# Altium PCB 6sPwr.PcbDoc (part 2 of 2)
Units mm, origin at the board's own origin, x right, y up, seen from the top; angles counter-clockwise.
Board outline 38.5 x 38.5 mm, 4 copper layers (Top Layer (L1), Ground (L2), Ground (L3), Bottom Layer (L4)), stack 1.558 mm thick; 111 components, 79 nets, 365 pads, 302 vias.
Unrouted connection lines stored in the file: 17.
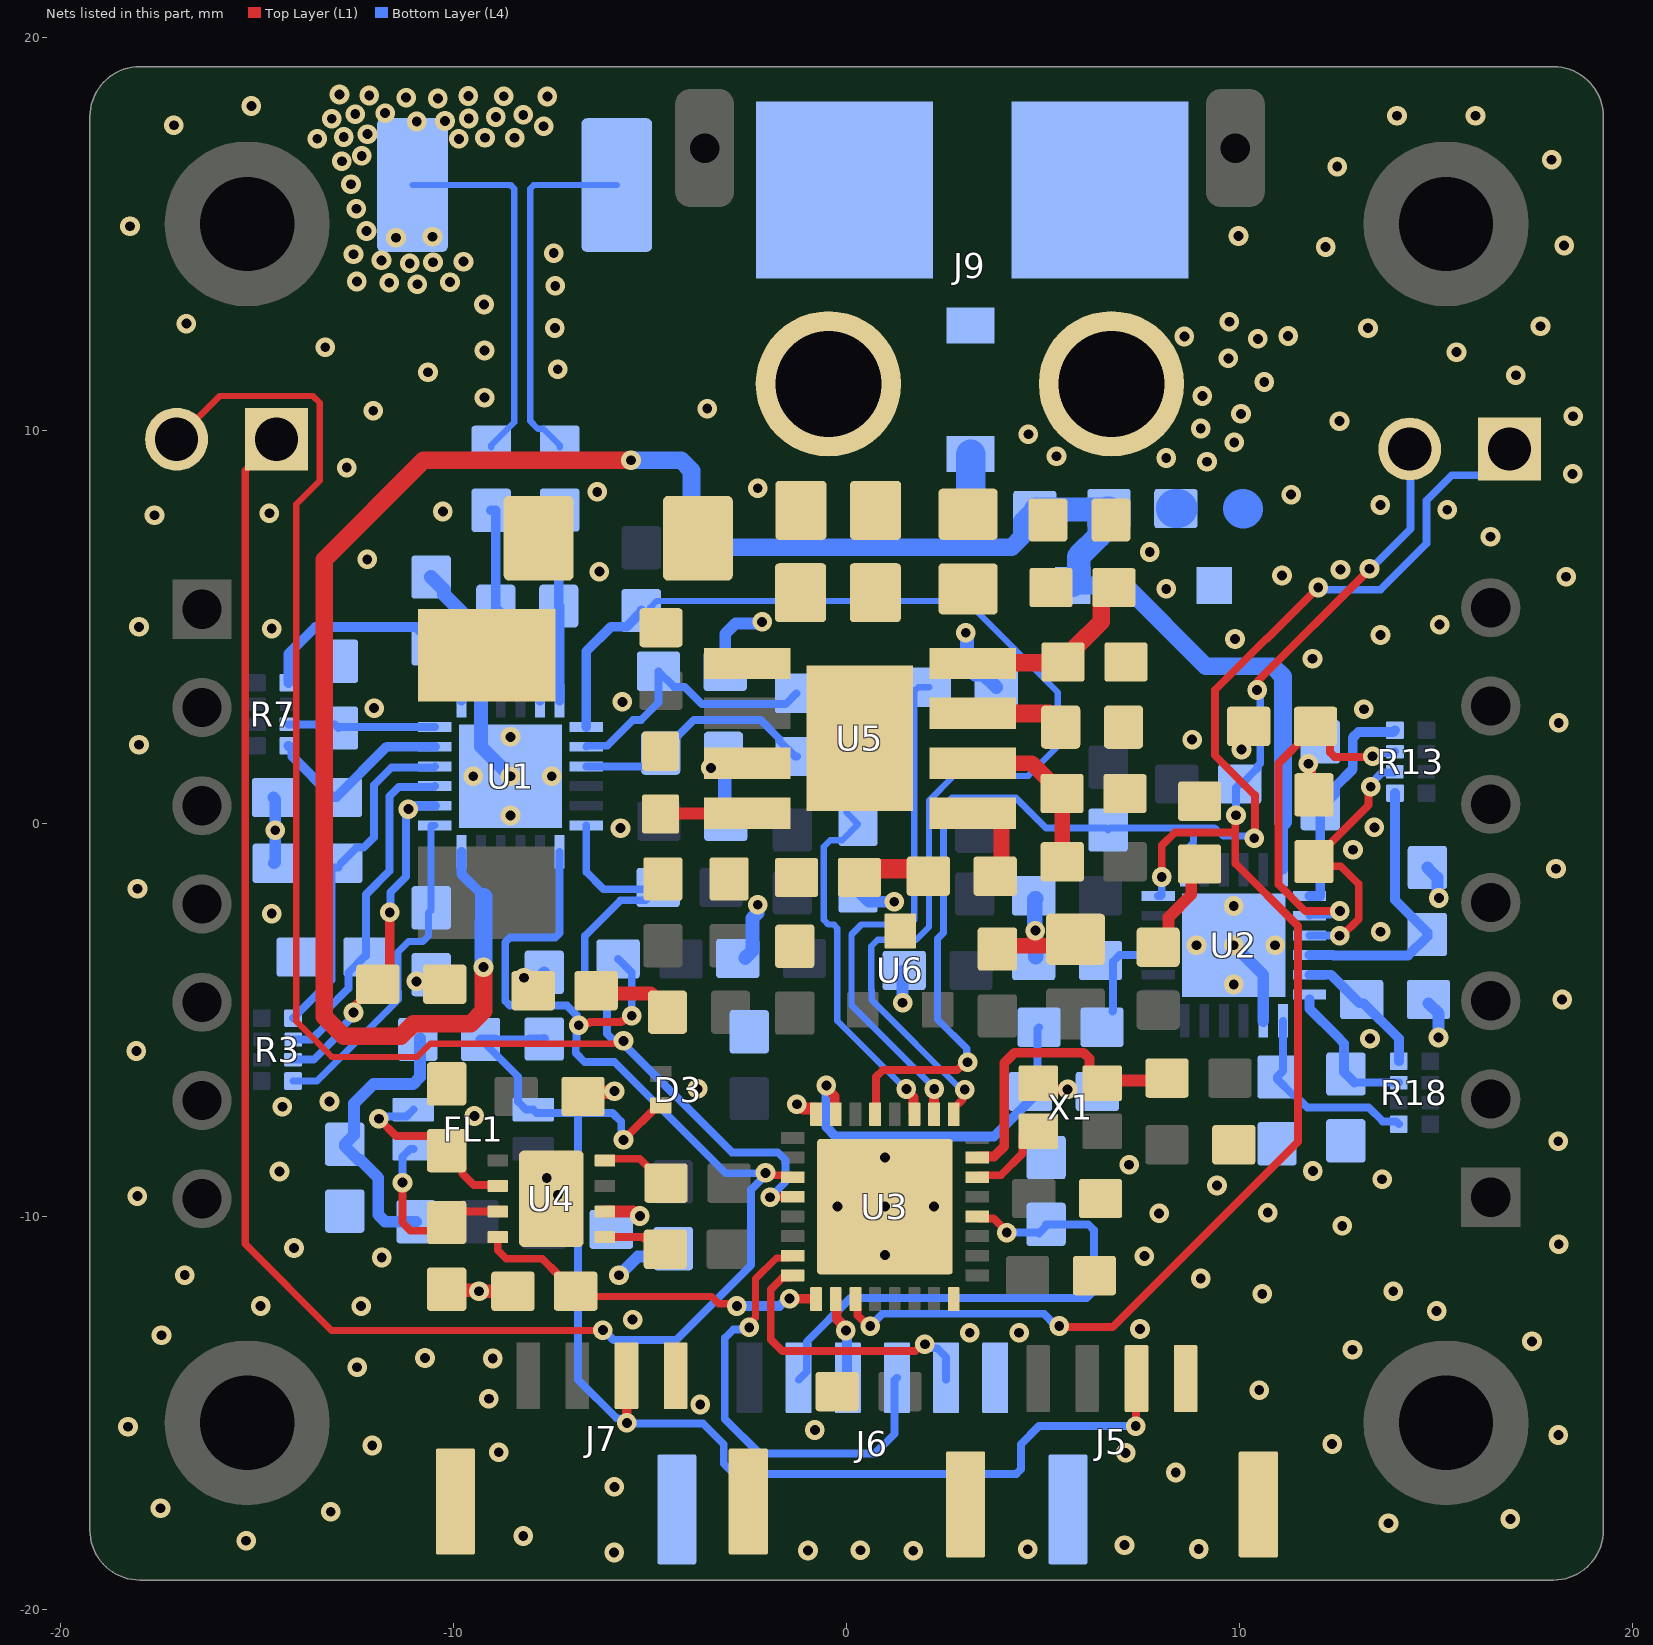
[diagram p4: the nets of this part, all layers, seen from the top]

## Via types
v1: diameter 0.5, hole 0.25, Top Layer (L1) to Bottom Layer (L4), tented both sides, 302 vias

## Nets (pads, with @x,y where several pads share a name; then routed paths per layer and width w, separated by ;. In a path a pad name is that pad's centre, name@x,y a point inside that pad or via, vN(x,y) a via of type N, cw(c..) or ccw(c..) an arc to the next point about the centre after c; other vN are vias at no path point) (continued)
CAN_H_FILT: C36.2 FL1.3 U4.7 | length 4.8
  Top Layer (L1) w0.2: v1(-11.299,-9.139) -11.302,-9.142 -11.302,-10.154 -11.094,-10.362 -10.387,-10.362 C36.2@-10.175,-10.15 -9.9,-9.875 U4.7@-8.874,-9.875
  Bottom Layer (L4) w0.2: v1(-11.299,-9.139) -11.299,-8.481 -11.302,-8.481 -11.102,-8.281 FL1.3@-11.022,-8.281
CAN_L: C33.2 D3.1 FL1.1 J5.3 J7.3 R22.2 | length 33.6
  Top Layer (L1) w0.2: v1(-5.676,-8.051) -4.8,-7.175 D3.1@-4.725,-7.175 ; v1(7.355,-15.332) 7.365,-15.322 7.365,-14.134 J5.3@7.375,-14.124
  Top Layer (L1) w0.25: J7.3@-5.6,-14.05 -5.595,-14.055 -5.595,-15.245 v1(-5.59,-15.25)
  Bottom Layer (L4) w0.2: R22.2@-9.204,-5.596 -8.356,-6.444 -8.356,-7.081 -8.156,-7.281 FL1.1@-7.972,-7.281 -7.885,-7.368 -6.831,-7.368 ; R22.2@-8.936,-5.493 C33.2@-8.067,-5.493 ; v1(-5.676,-8.051) -5.733,-7.994 -5.733,-7.588 -5.953,-7.368 -6.831,-7.368 ; v1(-5.59,-15.25) -5.671,-15.25 -5.789,-15.133 -5.851,-15.133 -6.831,-14.152 -6.831,-10.915 -6.837,-10.909 -6.837,-9.749 -6.831,-9.743 -6.831,-7.368 ; v1@-5.578,-15.262 -3.656,-15.262 -3.124,-15.794 -3.124,-16.287 -2.864,-16.547 4.318,-16.547 4.435,-16.43 4.435,-15.794 4.897,-15.332 v1(7.355,-15.332)
  Bottom Layer (L4) w0.25: R22.2@-9.311,-5.495 R22.2@-8.936,-5.493 ; C33.2@-8.067,-5.493 C33.2@-7.692,-5.486
CAN_L_FILT: C35.2 FL1.4 U4.6 | length 4.8
  Top Layer (L1) w0.2: v1(-11.899,-7.514) -11.463,-7.95 -10.55,-7.95 -9.775,-8.725 -9.775,-8.907 -9.482,-9.2 -8.899,-9.2 U4.6@-8.874,-9.225
  Bottom Layer (L4) w0.2: v1(-11.899,-7.514) -11.842,-7.457 -11.197,-7.457 FL1.4@-11.022,-7.281
COMP: C46.2 U5.5 | length 2.3
  Top Layer (L1) w0.4: U5.5@3.208,0.257 3.742,0.257 3.942,0.057 3.942,-1.179 C46.2@3.779,-1.342
EN: R26.1 R28.2 U5.8 | length 4.8
  Top Layer (L1) w0.45: U5.8@3.208,4.067 3.228,4.087 5.485,4.087 R28.2@5.505,4.107 5.555,4.107 5.83,4.382 5.83,4.488 6.475,5.133 6.475,5.725 6.75,6 R26.1@6.8,6
FB: R27.1 R30.2 U5.6 | length 3.7
  Top Layer (L1) w0.4: U5.6@3.845,1.527 4.712,1.527 5.13,1.109 5.13,1.059 5.43,0.759 R30.2@5.48,0.759 5.483,0.756 5.483,-0.974 R27.1@5.487,-0.977
FSW: R29.2 U5.4 | length 2.2
  Top Layer (L1) w0.3: R29.2@-4.733,0.239 -4.724,0.248 -2.541,0.248 U5.4@-2.532,0.257
GND: C1.1 C2.1 C3.1 C4.1 C5.1 C7.1 C8.1 C9.1 C10.1 C11.1 C12.1 C13.1 C14.1 C15.1 C16.1 C17.1 C18.1 C19.1 C20.1 C21.1 C22.1 C23.1 C24.1 C25.1 C26.1 C27.1 C28.1 C29.1 C30.1 C31.1 C32.1 C33.1 C34.1 C35.1 C36.1 C37.1 C38.1 C39.1 C40.1 C41.1 C42.1 C43.1 C44.1 C47.1 C48.1 C49.1 C50.1 D2.1 D3.3 D4.1 J5.4 J5.5 J5.6 J6.6 J6.7 J6.8 J7.4 J7.5 J7.6 J9.2 R9.1 R12.1 R19.1 R24.1 R28.1 R29.1 R30.1 R31.1 R32.1 R33.1 U1.8 U1.25 U2.8 U2.25 U3.16 U3.32 U3.33 U4.2 U4.9 U5.3 U6.3 X1.2 | length 40
  Top Layer (L1) w0.25: X1.2@4.877,-6.609 5.033,-6.766 v1(5.622,-6.766)
  Top Layer (L1) w0.3: U4.2@-6.15,-9.875 -5.426,-9.875 -5.312,-9.988 v1(-5.258,-9.988) ; v1(-1.265,-7.145) -1.211,-7.145 -1.106,-7.25 -0.775,-7.25 U3.16@-0.775,-7.4 ; v1(11.748,1.517) 11.786,1.479 11.786,0.83 C23.1@11.889,0.727
  Top Layer (L1) w0.35: C36.1@-10.175,-11.85 -10.149,-11.876 -9.377,-11.876 v1(-9.351,-11.902) R24.1@-8.49,-11.902 ; C32.1@-6.706,-6.948 -6.597,-6.84 -5.935,-6.84 v1(-5.906,-6.811)
  Top Layer (L1) w0.4: C50.1@3.835,-3.197 3.92,-3.111 4.79,-3.111 ; v1(4.803,-2.728) 4.803,-2.762 4.79,-2.774 4.79,-3.111 ; C49.1@5.824,-2.948 5.66,-3.111 4.79,-3.111
  Bottom Layer (L4) w0.16: R12.1@-11.043,16.24 -8.551,16.24 -8.457,16.147 -8.457,10.202 -9.043,9.616 R9.1@-9.043,9.566
  Bottom Layer (L4) w0.3: C10.1@-14.577,0.656 -14.533,0.613 -14.533,-0.984 C11.1@-14.564,-1.015 ; v1(-8.206,-3.929) -7.835,-3.929 C33.1@-7.692,-3.786 ; v1(-5.788,-11.493) -5.315,-11.02 C31.1@-4.408,-11.02 ; C4.1@-3.132,1.711 C4.1@-2.96,1.538 ; C7.1@-3.088,3.872 -3.088,4.822 -2.821,5.088 -2.187,5.088 v1(-2.149,5.127) ; C5.1@0.291,-1.723 0.561,-1.993 v1(1.211,-1.993) ; C17.1@1.417,-3.754 1.424,-3.761 v1(1.424,-4.565) ; v1(9.85,-3.1) 10.6,-3.85 U2.8@10.6,-5.025 ; C22.1@14.775,-1.125 15.028,-1.378 15.028,-1.858 v1(15.066,-1.896) ; C21.1@14.8,-4.575 15.058,-4.833 v1(15.058,-5.446)
  Bottom Layer (L4) w0.35: C15.1@-10.57,6.266 -10.245,5.941 -10.245,5.821 -9.8,5.376 -9.8,5.332 ; U1.8@-9.3,3.125 -9.3,1.95 v1(-8.55,1.2) ; v1(-3.452,1.413) -3.107,1.413 -3.103,1.409 -3.103,0.083 C3.1@-3.074,0.054 ; C2.1@-2.58,-3.425 -2.394,-3.239 -2.394,-2.411 -2.268,-2.286 -2.268,-2.08 v1(-2.259,-2.071) ; v1(3.031,4.848) 3.06,4.82 3.06,3.995 3.265,3.79 3.48,3.79 C8.1@3.805,3.465
  Bottom Layer (L4) w0.4: C16.1@4.802,-1.919 4.783,-1.938 4.783,-2.709 v1(4.803,-2.728) ; C18.1@4.809,-3.394 v1@4.809,-2.684
  Bottom Layer (L4) w1: C1.1@8.376,8.01 C1.1@8.426,8.01 ; 10.075,8.01 10.088,7.997
  other v1: -5.915,-18.547 -0.982,-18.496 1.696,-18.502 0.351,-18.489 4.608,-18.467 8.958,-18.458 7.069,-18.361 -15.275,-18.251 -8.227,-18.128 13.786,-17.803 16.885,-17.696 -13.123,-17.513 -17.453,-17.423 -5.907,-16.878 8.372,-16.514 7.097,-16.014 -8.848,-15.997 -12.066,-15.828 12.35,-15.786 18.106,-15.559 -0.806,-15.431 -18.281,-15.347 -3.725,-14.783 -9.101,-14.636 10.498,-14.416 -12.452,-13.836 -10.725,-13.6 -9.003,-13.611 12.87,-13.391 17.435,-13.177 -17.429,-13.02 3.134,-12.957 4.388,-12.957 7.463,-12.864 -5.445,-12.624 15.01,-12.405 -14.908,-12.275 -12.35,-12.28 10.574,-11.968 13.907,-11.903 9.008,-11.576 -16.837,-11.492 -11.827,-11.045 7.574,-11.007 0.975,-10.984 -14.058,-10.803 18.118,-10.705 12.608,-10.238 7.95,-9.921 10.716,-9.902 -0.229,-9.75 0.975,-9.75 2.225,-9.75 -18.041,-9.483 -7.348,-9.45 9.424,-9.213 13.624,-9.055 -7.63,-9.019 -14.425,-8.855 11.861,-8.844 7.188,-8.686 0.975,-8.5 18.104,-8.088 -9.47,-7.442 -14.354,-7.207 -13.156,-7.076 -3.793,-6.753 -18.068,-5.792 13.315,-5.476 18.203,-4.479 9.85,-4.1 -10.943,-4.019 8.9,-3.1 10.9,-3.1 13.585,-2.756 -14.623,-2.295 9.85,-2.1 -18.04,-1.663 18.047,-1.155 12.884,-0.67 -14.533,-0.173 -5.751,-0.121 13.425,-0.102 -8.55,0.2 -9.5,1.2 -7.5,1.2 10.045,1.879 -18,2 8.79,2.131 -8.55,2.2 18.115,2.557 13.16,2.902 -12.02,2.932 -5.703,3.091 11.852,4.186 9.879,4.69 13.583,4.793 -14.625,4.955 -18,5 15.086,5.057 8.134,5.965 18.303,6.276 11.077,6.308 -6.288,6.404 12.563,6.456 -12.195,6.717 7.71,6.905 16.382,7.294 -17.607,7.84 -14.685,7.888 -10.272,7.933 15.281,7.977 13.579,8.099 11.308,8.365 -6.342,8.433 -2.259,8.524 18.47,8.891 -12.717,9.05 9.168,9.201 8.131,9.294 5.34,9.342 9.861,9.692 4.624,9.897 9.007,10.047 12.537,10.233 18.481,10.359 10.034,10.418 -12.041,10.496 -3.545,10.552 -9.212,10.831 9.051,10.874 10.627,11.228 17.026,11.398 -10.648,11.477 -7.348,11.555 9.711,11.829 15.513,11.989 -9.212,12.031 -13.262,12.113 10.463,12.326 8.593,12.386 11.231,12.398 13.263,12.598 -7.421,12.602 17.654,12.645 -16.796,12.713 9.737,12.762 -9.223,13.2 -7.411,13.674 -10.919,13.717 -11.637,13.754 -12.459,13.784 -10.09,13.769 -11.114,14.247 -10.523,14.277 -9.747,14.291 -11.831,14.322 -12.545,14.479 -7.451,14.508 12.185,14.661 18.254,14.699 -11.464,14.899 -10.535,14.926 9.968,14.943 -12.214,15.068 -18.232,15.19 -12.471,15.634 -12.608,16.257 12.482,16.708 -12.839,16.846 17.936,16.885 -12.333,16.981 -13.465,17.418 -9.864,17.413 -9.198,17.444 -8.445,17.444 -12.793,17.462 -12.19,17.535 -7.708,17.734 -17.114,17.758 -10.937,17.855 -10.217,17.868 -13.098,17.927 -9.613,17.93 -8.923,17.97 14,18 16,18 -8.225,18.024 -12.5,18.043 -11.741,18.07 -15.141,18.252 -10.398,18.44 -11.205,18.463 -12.143,18.516 -9.621,18.503 -8.722,18.498 -7.613,18.493 -12.902,18.543
HSE_8MHZ: U3.6 X1.3 | length 2
  Top Layer (L1) w0.2: U3.6@3.325,-9 3.375,-8.95 3.924,-8.95 4.476,-8.398 4.476,-7.924 X1.3@4.575,-7.825
LX: C45.2 D4.2 L1.1 U5.1
NetC37_2: C37.2 R22.1 R23.1 | length 7.3
  Bottom Layer (L4) w0.3: R23.1@-10.953,-10.133 -11.74,-10.133 -11.916,-9.957 -11.916,-9.014 -12.366,-8.564 -12.416,-8.564 -12.766,-8.214 C37.2@-12.766,-8.164 -12.534,-7.932 -12.534,-7.127 -12.038,-6.631 -11.029,-6.631 -10.853,-6.455 R22.1@-10.853,-5.466
NetC46_1: C46.1 R31.2 | length 1.9
  Top Layer (L1) w0.5: R31.2@0.325,-1.375 0.544,-1.156 1.894,-1.156 C46.1@2.079,-1.342
NetD1_2: D1.2 R1.1 | length 1.4
  Bottom Layer (L4) w0.75: R1.1@3.154,7.994 D1.2@3.154,9.395
NetD5_2: D5.2 R32.2 | length 2.6
  Top Layer (L1) w0.3: D5.2@7.925,-3.15 8.189,-2.886 8.189,-2.386 8.766,-1.809 8.766,-1.246 R32.2@8.978,-1.034
NetD6_2: D6.2 R33.2 | length 2.1
  Top Layer (L1) w0.35: R33.2@-6.371,-4.256 -6.299,-4.329 -4.98,-4.329 -4.556,-4.753 D6.2@-4.556,-4.803
NRST: C30.2 J6.2 U3.4 | length 13.8
  Top Layer (L1) w0.2: U3.4@3.325,-10 3.375,-10.05 3.74,-10.05 4.075,-10.385 v1(4.075,-10.41)
  Bottom Layer (L4) w0.2: J6.2@-1.217,-14.153 -1.014,-13.95 -1.014,-13.186 0.097,-12.075 6.11,-12.075 6.294,-11.891 6.294,-10.346 6.147,-10.2 C30.2@5.075,-10.2 5.075,-10.25 C30.2@4.89,-10.435 ; v1(4.075,-10.41) C30.2@4.865,-10.41
OSC_EN: R25.1 U3.7 X1.1 | length 7.8
  Top Layer (L1) w0.25: U3.7@3.325,-8.5 3.35,-8.475 3.751,-8.475 4.01,-8.216 4.01,-6.093 4.268,-5.834 6.03,-5.834 6.176,-5.981 6.176,-6.456 X1.1@6.26,-6.54
  Top Layer (L1) w0.3: X1.1@6.26,-6.54 8.09,-6.54 R25.1@8.15,-6.48
OVERCURRENT: R11.1 U1.13 U3.9 | length 30.7
  Top Layer (L1) w0.2: U3.9@2.725,-7.4 2.725,-7.25 2.946,-7.029 2.946,-6.831 v1(3.004,-6.773)
  Bottom Layer (L4) w0.16: R11.1@-5,5.484 -4.825,5.659 3.046,5.659 5.373,3.332 5.373,1.959 4.621,1.207 2.724,1.207 2.099,0.582 2.099,-2.629 1.767,-2.96 0.795,-2.96 0.63,-3.125 0.63,-4.236 0.64,-4.246 0.64,-4.493 2.92,-6.773 v1(3.004,-6.773)
  Bottom Layer (L4) w0.25: U1.13@-6.625,2.45 -6.625,4.375 -6,5 -5.6,5 -5.225,5.375 R11.1@-5.225,5.413
PACK+: C41.2 C42.2 C43.2 C44.2 D1.1 J8.1 J9.1 R26.2 U5.0
PACK-: J8.2 R10.1 R12.2 | length 9.2
  Bottom Layer (L4) w0.16: R10.1@-7.297,9.57 -7.297,9.62 -7.717,10.04 -7.853,10.04 -8.05,10.236 -8.05,16.145 -7.956,16.239 R12.2@-5.844,16.239
SCL_1: J3.1 R4.1 U1.19 U3.19 | length 55.6
  Top Layer (L1) w0.18: J3.1@-14.505,9.773 -15.299,8.979 -15.299,-10.701 -13.101,-12.899 v1@-6.208,-12.899
  Top Layer (L1) w0.2: -6.546,-5.077 -6.526,-5.056 -5.741,-5.056 -5.711,-5.027 -5.678,-5.027 -5.547,-4.895 v1(-5.465,-4.895) ; v1(-2.064,-8.891) -1.983,-8.891 -1.924,-8.95 -1.425,-8.95 U3.19@-1.375,-9
  Bottom Layer (L4) w0.2: U1.19@-7.3,-0.725 -7.3,-2.79 -7.417,-2.907 -8.568,-2.907 -8.685,-3.024 -8.685,-4.514 -8.568,-4.631 -8.278,-4.631 -8.273,-4.636 -7.112,-4.636 -6.871,-4.878 -6.871,-5.078 v1(-6.813,-5.135) -6.871,-5.193 -6.871,-5.654 -6.892,-5.675 -6.892,-5.841 -6.66,-6.073 -5.902,-6.073 -3.074,-8.901 -2.074,-8.901 v1(-2.064,-8.891) ; v1(-6.2,-12.89) -6.183,-12.89 -5.932,-13.141 -4.333,-13.141 -2.428,-11.236 -2.428,-9.314 -2.064,-8.95 v1@-2.064,-8.9 ; R4.1@-5.812,-3.448 -5.465,-3.795 v1(-5.465,-4.895)
SCL_2: J4.1 R15.1 U2.19 U3.13 | length 34.9
  Top Layer (L1) w0.2: U3.13@0.725,-7.4 0.75,-7.375 0.75,-6.446 0.92,-6.277 2.81,-6.277 3.011,-6.076 v1(3.078,-6.076) ; v1(10.371,-0.377) 10.386,-0.362 10.386,0.718 9.368,1.736 9.368,3.389 10.674,4.696 10.696,4.696 v1(12,6)
  Bottom Layer (L4) w0.18: v1(3.078,-6.076) 3.056,-6.054 3.056,-5.729 2.315,-4.988 2.315,-2.935 2.469,-2.782 2.469,0.429 2.682,0.643 4.313,0.643 5.069,-0.113 6.597,-0.113 R15.1@6.653,-0.169 6.709,-0.113 8.826,-0.113 ; U2.19@8.6,-1.175 8.635,-1.14 8.635,-0.84 8.685,-0.79 8.685,-0.63 8.826,-0.489 8.826,-0.113 ; v1(10.371,-0.377) 10.315,-0.321 9.572,-0.321 9.364,-0.113 8.826,-0.113
  Bottom Layer (L4) w0.2: v1(12,6) 12.055,5.945 13.577,5.945 14.749,7.116 14.749,8.21 15.394,8.856 16.196,8.856 J4.1@16.865,9.525
SDA_1: J3.2 R5.1 U1.18 U3.20 | length 44.7
  Top Layer (L1) w0.16: J3.2@-17.045,9.773 -15.945,10.873 -13.581,10.873 -13.405,10.697 -13.405,8.714 -14,8.119 -14,-5.035 -13.095,-5.941 -10.921,-5.941 -10.587,-5.607 -5.94,-5.607 -5.931,-5.598 -5.741,-5.598 v1(-5.676,-5.533)
  Top Layer (L1) w0.2: v1(-1.946,-9.509) -1.941,-9.505 -1.38,-9.505 U3.20@-1.375,-9.5
  Bottom Layer (L4) w0.2: U1.18@-6.625,-0.05 -6.625,-1.233 -6.182,-1.676 R5.1@-4.958,-1.676 ; R5.1@-4.793,-1.629 -5.118,-1.954 -5.748,-1.954 -6.662,-2.868 -6.662,-4.029 -6.093,-4.598 -6.093,-5.353 -5.95,-5.496 -5.713,-5.496 v1(-5.676,-5.533) -5.676,-5.61 -2.917,-8.369 -1.754,-8.369 -1.551,-8.573 -1.551,-9.114 v1(-1.946,-9.509)
SDA_2: J4.2 R16.1 U2.18 U3.27 | length 37.6
  Top Layer (L1) w0.2: U3.27@0.225,-12.1 0.275,-12.15 0.275,-12.515 0.549,-12.789 v1(0.601,-12.789) ; v1(5.41,-12.784) 5.439,-12.813 6.767,-12.813 11.482,-8.097 11.482,-2.611 9.888,-1.016 9.888,-0.234 ; v1(8.018,-1.366) 8.018,-0.564 8.348,-0.234 9.882,-0.234 9.888,-0.228 9.888,0.19 v1(9.907,0.209) ; v1(10.442,3.394) 10.455,3.406 10.455,3.614 v1@13.3,6.46
  Bottom Layer (L4) w0.2: v1(0.601,-12.789) 0.916,-12.475 5.019,-12.475 5.329,-12.784 v1(5.41,-12.784) ; U2.18@7.925,-1.85 7.993,-1.85 8.018,-1.825 v1(8.018,-1.366) ; v1(9.907,0.209) 9.907,0.907 R16.1@10,1 10.05,1 10.45,1.4 10.45,1.45 10.524,1.524 10.524,3.231 10.442,3.313 v1(10.442,3.394) ; v1(13.3,6.479) 13.333,6.479 14.349,7.494 14.349,9.501 J4.2@14.325,9.525
SENSE_N: C6.1 R9.2 U1.11 | length 5.6
  Bottom Layer (L4) w0.25: R9.2@-9.043,7.966 -8.925,7.966 C6.1@-8.925,5.478 ; C6.1@-8.925,5.528 C6.1@-8.925,5.478 ; U1.11@-7.8,3.125 -7.8,4.552 -8.15,4.902 -8.15,4.921 -8.332,5.103 -8.55,5.103 C6.1@-8.925,5.478
SENSE_P: C6.2 R10.2 U1.12 | length 4.9
  Bottom Layer (L4) w0.25: U1.12@-7.3,3.125 -7.3,5.528 C6.2@-7.325,5.528 -7.325,7.97 R10.2@-7.297,7.97
SS: C47.2 U5.7 | length 2.4
  Top Layer (L1) w0.45: U5.7@3.208,2.797 5.146,2.797 5.444,2.499 C47.2@5.444,2.449
SWCLK: J6.5 U3.24 | length 7.3
  Top Layer (L1) w0.2: U3.24@-1.375,-11.5 -1.425,-11.55 -1.624,-11.55 -1.929,-11.855 -1.929,-13.13 -1.633,-13.426 1.746,-13.426 1.923,-13.25 v1(1.99,-13.25)
  Bottom Layer (L4) w0.2: v1(1.99,-13.25) 2.072,-13.25 2.173,-13.351 2.302,-13.351 2.533,-13.581 J6.5@2.533,-14.153
SWDIO: J6.4 U3.23 | length 11.6
  Top Layer (L1) w0.18: v1(-2.476,-12.821) -2.476,-12.734 -2.319,-12.578 -2.319,-11.584 -1.786,-11.052 -1.427,-11.052 U3.23@-1.375,-11
  Bottom Layer (L4) w0.2: v1(-2.476,-12.821) -2.533,-12.878 -2.883,-12.878 -3.1,-13.095 -3.1,-15.15 -2.218,-16.031 0.716,-16.031 1.222,-15.525 1.222,-14.16 J6.4@1.28,-14.102
SWO: J6.3 U3.26 | length 2.2
  Top Layer (L1) w0.25: U3.26@-0.275,-12.1 -0.25,-12.125 -0.25,-12.602 -0.018,-12.834 v1(-0.018,-12.902)
  Bottom Layer (L4) w0.25: v1(-0.018,-12.902) 0.007,-12.927 0.007,-14.128 J6.3@0.033,-14.153
TJA1051_RX: R21.1 U4.4 | length 1.7
  Top Layer (L1) w0.2: U4.4@-6.15,-8.575 -6.105,-8.53 -5.264,-8.53 -4.789,-9.005 R21.1@-4.789,-9.147
TJA1051_SLEEP: R24.2 U3.25 U4.8 | length 9.1
  Top Layer (L1) w0.18: R24.2@-6.787,-12.031 -3.441,-12.031 -3.252,-12.219 -2.849,-12.219 v1(-2.791,-12.277)
  Top Layer (L1) w0.2: U4.8@-8.874,-10.525 -8.874,-10.858 -8.657,-11.075 -7.743,-11.075 -7.34,-11.478 -7.34,-11.502 -6.812,-12.031 R24.2@-6.787,-12.031
  Top Layer (L1) w0.25: v1(-1.45,-12.089) -1.445,-12.095 -0.78,-12.095 U3.25@-0.775,-12.1
  Bottom Layer (L4) w0.25: v1(-2.791,-12.277) -1.705,-12.277 -1.518,-12.089 v1(-1.45,-12.089)
TJA1051_TX: R20.1 U4.1 | length 1.4
  Top Layer (L1) w0.2: U4.1@-6.15,-10.525 -5.188,-10.525 R20.1@-4.895,-10.818
VBAT_PROTECTED: C1.2 D2.2 R1.2 U1.24 U2.24 | length 57.5
  Top Layer (L1) w0.45: v1(-9.238,-3.657) -9.238,-4.771 -9.561,-5.094 -11.016,-5.094 -11.338,-5.416 -12.793,-5.416 -13.29,-4.919 -13.29,6.71 -10.762,9.238 v1(-5.484,9.238)
  Bottom Layer (L4) w0.25: U1.24@-9.8,-0.725 -9.8,-1.293 -9.229,-1.865 ; U2.24@11.1,-1.175 11.1,0.047
  Bottom Layer (L4) w0.45: v1@-9.238,-3.647 -9.238,-2.517 -9.229,-2.507 -9.229,-1.865 ; v1(-5.484,9.238) -4.208,9.238 -3.944,8.974 -3.944,7.292 -3.681,7.028 4.2,7.028 4.464,7.292 4.464,7.685 4.739,7.96 R1.2@4.789,7.96 ; D2.2@5.753,6.053 7.084,6.053 9.137,4 10.836,4 11.1,3.736 11.1,0.047 ; C1.2@6.651,7.985 C1.2@6.676,8.01
  Bottom Layer (L4) w0.6: R1.2@4.814,7.985 C1.2@6.601,7.985 ; D2.2@5.753,6.053 5.903,6.203 5.903,6.787 6.426,7.31 6.426,7.81 C1.2@6.601,7.985 ; C1.2@6.651,7.985 C1.2@6.601,7.985 ; C1.2@6.676,8.01 6.626,8.01 C1.2@6.601,7.985
VC00: C26.2 R18.8 U2.7 | length 5.1
  Bottom Layer (L4) w0.2: U2.7@11.1,-5.025 11.1,-6.3 C26.2@10.95,-6.45 10.95,-6.5 11.35,-6.9 11.395,-6.9 11.72,-7.225 13.28,-7.225 13.635,-7.58 13.98,-7.58 R18.8@14.05,-7.65
VC0: C15.2 R7.8 U1.7 | length 6.6
  Bottom Layer (L4) w0.25: R7.8@-14.2,3.575 -14.2,4.316 -13.516,5 -10.954,5 -10.57,4.616 C15.2@-10.57,4.566 -10.195,4.191 -10.195,4.073 -9.8,3.679 U1.7@-9.8,3.125
VC1: C9.2 R7.4 U1.6 | length 3.8
  Bottom Layer (L4) w0.2: R7.4@-14.2,2.52 -13.02,2.52 C9.2@-12.925,2.425 -12.9,2.45 U1.6@-10.475,2.45
VC01: C20.2 R18.4 U2.6 | length 3.7
  Bottom Layer (L4) w0.2: C20.2@12.92,-6.595 R18.4@14.05,-6.595
  Bottom Layer (L4) w0.25: 11.775,-4.475 11.775,-4.716 12.459,-5.4 12.656,-5.596 12.656,-6.331 C20.2@12.7,-6.375 C20.2@12.92,-6.595
VC2: C10.2 R7.2 U1.5 | length 4.9
  Bottom Layer (L4) w0.25: R7.2@-14.2,1.975 -14.1,1.875 -14.1,1.7 -13.075,0.675 -13.025,0.675 -12.975,0.675 -11.7,1.95 U1.5@-10.475,1.95
VC02: C21.2 R18.2 U2.5 | length 3.5
  Bottom Layer (L4) w0.25: U2.5@11.775,-3.85 12.325,-3.85 13.05,-4.575 13.1,-4.575 13.15,-4.575 14.05,-5.475 R18.2@14.05,-6.05
VC3: C11.2 R3.8 U1.4 | length 8.6
  Bottom Layer (L4) w0.2: R3.8@-14.082,-4.955 -13.327,-4.2 -13.32,-4.2 -13.1,-3.98 -13.1,-1.125 C11.2@-12.924,-1.125 ; C11.2@-12.864,-1.015 -12.464,-0.615 -12.284,-0.615 -12.027,-0.358 -12.027,0.973 -11.575,1.425 -10.5,1.425 U1.4@-10.475,1.45
VC03: C22.2 R13.8 U2.4 | length 7.2
  Bottom Layer (L4) w0.25: U2.4@11.775,-3.35 12.372,-3.35 12.386,-3.364 14.286,-3.364 14.775,-2.875 14.775,-2.775 13.95,-1.95 R13.8@13.95,0.77
VC4: C12.2 R3.6 U1.3 | length 8.7
  Bottom Layer (L4) w0.2: R3.6@-14.075,-5.5 -13.612,-5.5 -13.266,-5.154 -13.266,-4.791 -12.675,-4.2 -12.675,-3.8 -12.25,-3.375 -12.225,-3.375 -12.225,-1.806 -11.627,-1.208 -11.627,0.691 -11.392,0.925 -10.5,0.925 U1.3@-10.475,0.95
VC04: C23.2 R13.6 U2.3 | length 7
  Top Layer (L1) w0.2: v1(12.541,-2.859) 12.6,-2.859 13.028,-2.431 13.028,-1.546 12.572,-1.089 12.006,-1.089 C23.2@11.889,-0.973 11.889,-0.923 13.277,0.465 13.277,0.876 v1(13.334,0.934)
  Bottom Layer (L4) w0.2: U2.3@11.775,-2.85 11.78,-2.855 12.537,-2.855 v1(12.541,-2.859) ; v1(13.334,0.934) 13.334,1.009 13.621,1.295 13.923,1.295 R13.6@13.943,1.315
VC5: C13.2 R3.4 U1.2 | length 8.7
  Top Layer (L1) w0.2: v1(-12.543,-4.812) -12.486,-4.754 -12.486,-4.601 -12.035,-4.15 C13.2@-11.925,-4.15
  Top Layer (L1) w0.25: C13.2@-11.925,-4.15 -11.624,-3.849 v1(-11.624,-2.265)
  Bottom Layer (L4) w0.2: R3.4@-14.082,-6.01 -13.557,-6.01 -12.866,-5.32 -12.866,-5.216 -12.543,-4.893 v1(-12.543,-4.812) ; v1(-11.624,-2.265) -11.603,-2.243 -11.603,-1.751 -11.205,-1.353 -11.205,0.095 -11.205,0.305 v1(-11.148,0.362)
  Bottom Layer (L4) w0.25: v1(-11.148,0.362) -11.08,0.362 -10.992,0.45 U1.2@-10.475,0.45
VC05: C24.2 R13.4 U2.2 | length 9.7
  Top Layer (L1) w0.2: C24.2@11.93,2.468 C24.2@11.767,2.305 ; v1(12.549,-2.23) 12.547,-2.232 11.67,-2.232 10.988,-1.55 10.988,1.526 C24.2@11.767,2.305 ; v1(13.38,1.71) 13.36,1.69 12.416,1.69 12.299,1.807 12.299,2.068 12.062,2.305 C24.2@11.767,2.305
  Bottom Layer (L4) w0.2: U2.2@11.775,-2.35 11.8,-2.325 12.298,-2.325 12.335,-2.288 12.492,-2.288 v1(12.549,-2.23) ; v1(13.38,1.71) 13.462,1.71 13.542,1.79 13.915,1.79 R13.4@13.95,1.825
VC6: C14.2 R3.2 U1.1 | length 8.6
  Bottom Layer (L4) w0.18: R3.2@-14.082,-6.555 -13.474,-6.555 -11.398,-4.479 -11.398,-4.279 -11.412,-4.265 -11.412,-3.978 -11.41,-3.976 -11.41,-3.272 -11.145,-3.007 -10.782,-3.007 -10.637,-2.862 -10.637,-2.268 -10.567,-2.199 -10.567,-2.094 -10.567,-0.05 U1.1@-10.475,-0.05
VC06: C25.2 R13.2 U2.1 | length 5.8
  Bottom Layer (L4) w0.25: U2.1@11.775,-1.85 12.05,-1.85 C25.2@12.05,0.375 12.425,0.75 12.425,0.927 12.875,1.377 12.875,2.178 13.022,2.325 13.905,2.325 R13.2@13.95,2.37
VCOUT_1: C4.2 R6.1 U1.15 | length 6.3
  Bottom Layer (L4) w0.2: U1.15@-6.625,1.45 -4.993,1.45 -4.732,1.711 -4.732,1.761 C4.2@-4.732,1.735 ; C4.2@-4.731,1.784 -4.731,1.834 -4.331,2.234 -4.281,2.234 -3.881,2.634 -2.193,2.634 -1.71,2.151 -1.71,2.101 -1.31,1.701 R6.1@-1.26,1.701
VCOUT_1_FILT: C5.2 R6.2 U3.11 | length 11
  Top Layer (L1) w0.25: v1(1.522,-6.756) 1.522,-6.79 1.7,-6.969 1.7,-7.375 U3.11@1.725,-7.4
  Bottom Layer (L4) w0.16: R6.2@0.34,1.701 0,1.361 0,0.268 C5.2@0.291,-0.023 0.291,-0.026 -0.109,-0.426 -0.414,-0.426 -0.58,-0.591 -0.58,-2.456 -0.463,-2.573 -0.329,-2.573 -0.235,-2.667 -0.235,-5.025 1.496,-6.756 v1(1.522,-6.756)
VCOUT_2: C18.2 R17.1 U2.15 | length 2.5
  Bottom Layer (L4) w0.2: R17.1@6.764,-4.789 6.774,-4.778 6.774,-3.521 6.785,-3.51 6.946,-3.35 U2.15@7.925,-3.35
VCOUT_2_FILT: C19.2 R17.2 U3.15 | length 9.1
  Top Layer (L1) w0.25: v1(-0.515,-6.666) -0.515,-6.734 -0.3,-6.949 -0.3,-7.375 U3.15@-0.275,-7.4
  Bottom Layer (L4) w0.2: C19.2@4.566,-6.803 C19.2@4.607,-6.762 ; C19.2@4.856,-6.379 4.856,-5.228 R17.2@4.897,-5.187
  Bottom Layer (L4) w0.25: v1(-0.515,-6.666) -0.515,-7.726 -0.278,-7.963 3.748,-7.963 C19.2@4.856,-6.854
VIOUT: C7.2 R8.1 U1.14 | length 7.1
  Bottom Layer (L4) w0.2: U1.14@-6.625,1.95 -6.6,1.975 -6.09,1.975 -5.431,2.634 -5.226,2.634 -4.788,3.072 C7.2@-4.788,3.872 -4.388,3.472 -4.119,3.472 -3.681,3.034 -1.551,3.034 R8.1@-1.276,3.309
VIOUT_FILT: C8.2 R8.2 U3.10 | length 14.9
  Top Layer (L1) w0.25: U3.10@2.225,-7.4 2.227,-7.398 2.227,-6.757 v1(2.228,-6.756)
  Bottom Layer (L4) w0.16: R8.2@0.324,3.309 0.404,3.389 C8.2@1.746,3.389 ; C8.2@2.105,3.465 1.822,3.465 C8.2@1.746,3.389 ; v1(2.228,-6.756) 2.228,-6.731 0.125,-4.627 0.125,-2.826 0.378,-2.573 1.606,-2.573 1.724,-2.456 1.724,3.367 C8.2@1.746,3.389
pads on no net: J9.MH0 J9.MH1 MH1.1 MH2.1 MH3.1 MH4.1 R7.5 R7.6 R18.5 R18.6 U1.9 U1.10 U1.16 U1.20 U1.21 U1.22 U1.23 U2.9 U2.10 U2.11 U2.12 U2.13 U2.14 U2.16 U2.20 U2.21 U2.22 U2.23 U3.2 U3.3 U3.12 U3.18 U3.28 U3.29 U3.30
copper on no net:
  other v1: -15.25,-16.9 15.25,-16.9 -16.417,-16.417 -14.083,-16.417 14.083,-16.417 16.417,-16.417 -16.9,-15.25 -13.6,-15.25 13.6,-15.25 16.9,-15.25 -16.417,-14.083 -14.083,-14.083 14.083,-14.083 16.417,-14.083 -15.25,-13.6 15.25,-13.6 -15.25,13.6 15.25,13.6 -16.417,14.083 -14.083,14.083 14.083,14.083 16.417,14.083 -16.9,15.25 -13.6,15.25 13.6,15.25 16.9,15.25 -16.417,16.417 -14.083,16.417 14.083,16.417 16.417,16.417 -15.25,16.9 15.25,16.9

## Polygon pours and split planes (outlines as drawn)
GND on Top Layer (L1) "L1-GND" (solid, pour order 36): -18,19 18,19 cw(c18,18) 19,18 19,-19 -18,-19 cw(c-18,-18) -19,-18 -19,18 cw(c-18,18)
+5V2 on Top Layer (L1) "5V_Pour" (solid, pour order 14): -2.222,-2.684 -3.55,-2.149 -5.343,-2.149 -5.343,-1.204 -6.325,-0.601 -7.396,-0.601 -7.403,-0.594 -10.903,-0.594 -10.903,-3.386 -5.407,-3.386 -5.407,-3.952 -3.552,-3.952 -3.474,-4.03 -3.421,-5.4 0.975,-5.4 0.975,-3.425 -0.1,-3.425 -0.1,-3.952 -2.222,-3.984
PACK+ on Top Layer (L1) "PACK+L1" (solid, pour order 19): -1.364,8.98 -1.25,8.98 -2.5,10.49 -2.5,12 -1.25,13.253 0.42,13.253 2.091,11.582 2.09,11.208 2.09,6.914 4.09,6.914 4.09,8.764 5.779,8.764 6,8.543 6,5.2 1.903,5.2 1.903,0.312 -1.12,0.312 -1.12,4.868 -0.22,4.868 -0.22,8.957 -0.213,8.964 -0.229,8.98
LX on Top Layer (L1) "LX" (solid, pour order 35): -1.348,3.667 -3.663,3.667 -3.663,3.963 -6,3.963 -6,3.106 -12,3.106 -12,5.754 -5.809,5.754 -5.809,8.754 -2.709,8.754 -2.709,4.772 -2.653,4.715 -1.369,4.715
+3V3 on Top Layer (L1) "3V3_Pour" (solid, pour order 15): 9.2,-6.98 10.539,-6.98 10.539,-5.688 8.83,-3.98 8.745,-3.98 1.88,-3.98 1.88,-5.494 8.561,-5.494 9.2,-6.002
GND on Bottom Layer (L4) "L4-GND" (solid, remove dead copper, pour order 33): -19,17.855 -19,19 19,19 19,-19 -19,-19
PACK+ on Bottom Layer (L4) "PACK+" (solid, pour order 31): -1.29,9.025 -2.5,10.49 -2.5,12 -1.253,13.247 2.5,13.247 2.5,18.939 9.138,18.939 9.138,12.978 5.256,12.897 5,10.49 2.092,10.49 2.092,8.978
PACK- on Bottom Layer (L4) "PACK-" (solid, remove dead copper, pour order 23): -1.375,13.434 -2.191,12.559 -3.75,11 -6.882,11 -6.882,13.53 -6.882,18.813 2.405,18.813 2.405,13.434
GND on Ground (L2) "L2-GND" (solid, pour order 0): -18,19 18,19 cw(c18,18) 19,18 19,-19 -18,-19 cw(c-18,-18) -19,-18 -19,18 cw(c-18,18)
GND on Ground (L3) "L3-GND" (solid, pour order 2): -18,19 18,19 cw(c18,18) 19,18 19,-19 -18,-19 cw(c-18,-18) -19,-18 -19,18 cw(c-18,18)

## Keep-outs
Keep-Out Layer:
  lines w0.138: 19.25,-18.105 cw(c19.25,-18.081) 19.226,-18.081 19.226,18.004 ccw(c17.98,18.004) 17.98,19.25 -17.888,19.25 ccw(c-17.888,17.857) -19.281,17.857 -19.25,-18.043 ccw(c-18.043,-18.043) -18.043,-19.25 17.98,-19.25 ccw(c17.98,-17.98) 19.25,-17.98

## Other copper
Top Layer (L1):
  pour cut-out: -11.337,-7.644 -11.337,-7.032 -11.33,-7.026 -11.35,-7.006 -12.4,-7.006 -12.4,-7.613 -12.044,-7.969 -11.877,-7.969
  pour cut-out: 5.817,-15.805 5.8,-15.822 5.8,-16.9 7.075,-16.9 7.811,-16.164 7.811,-15.11
  pour cut-out: -1.761,-16.618 2.351,-16.618 2.265,-16.532 2.265,-16.024 -1.588,-16.024 -1.74,-16.176
  pour cut-out: 12.992,-2.9 12.98,-2.912 12.98,-3.324 11.874,-3.324 11.775,-3.225 11.788,-3.212 11.788,-2.611
  pour cut-out: -11.047,-1.619 -12.828,-1.619 -12.903,-1.695 -12.857,-1.741 -12.857,-4.386 -12.821,-4.386 -12.779,-4.428 -12.714,-4.363 -12.68,-4.363 -12.68,-3.678 -11.107,-2.104
  pour cut-out: -11.877,-7.969 -11.758,-8.088 -11.758,-9.139 -11.198,-9.139 -10.88,-8.821 -10.88,-8.256
  pour cut-out: -5.095,-14.87 -5.095,-15.73 -5.109,-15.744 -5.36,-15.744 -5.36,-15.682 -5.387,-15.655
  pour cut-out: 9.247,-8.91 8.949,-8.91 8.905,-8.866 8.905,-8.081 8.915,-8.081 8.954,-8.041 8.992,-8.079 9.04,-8.079
  pour cut-out: 13.294,6.021 13.3,6.027 13.913,6.027 13.913,6.621 13.917,6.625 13.893,6.649 13.796,6.649 13.796,6.637 13.739,6.58
  pour cut-out: 2.674,-14.056 4.359,-14.056 4.342,-14.073 4.342,-15.047 2.152,-15.047 2.099,-14.994 2.099,-14.518 2.115,-14.503
  pour cut-out: 5.83,-10.745 5.65,-9.452 5.565,-9.414 5.5,-9.445 5.213,-10.25 5.281,-10.703 5.665,-10.795
  pour cut-out: -1.232,-0.343 3.534,0.172 3.534,-1.388 2,-2.922
  pour cut-out: 0.288,-13.977 0.352,-14.041 0.352,-15.533 0.709,-15.176
  pour cut-out: -5.348,-1.954 -2.667,-1.954 -2.277,-2.343
  pour cut-out: 12.55,2.272 13.852,2.272 13.905,2.325 13.95,2.28 13.95,0.007 12.657,0.007 12.55,-0.1
  pour cut-out: 4.771,3.574 4.93,3.415 4.93,1.184 6.53,1.184 6.63,1.284 6.63,3.607
  pour cut-out: -2.073,7.837 -2.081,7.83 -2.081,6.551 -1.76,6.871 -1.76,6.962
  pour cut-out: 5.973,-12.813 6.26,-13.101 6.858,-13.101 6.858,-13.114 7.179,-13.435 7.179,-15.977 6.931,-16.225 6.59,-15.885 6.429,-15.885
  pour cut-out: 8.196,0.246 8.183,0.259 5.891,0.259 5.891,-0.579 6.332,-1.02 6.952,-0.399 8.183,-0.399
  pour cut-out: -0.837,-6.654 -0.838,-6.656 -1.122,-6.656 -0.65,-6.183 0.108,-6.183 0.108,-6.254 0.126,-6.272 -0.007,-6.405 -0.089,-6.405
  pour cut-out: 5.562,-7.334 5.816,-7.334 5.663,-7.486 5.663,-7.974 5.797,-7.84
  pour cut-out: -9.649,-11.221 -9.643,-11.215 -9.643,-10.354 -9.47,-10.181 -9.308,-10.343 -9.308,-10.763
  pour cut-out: -10.903,-3.393 -10.949,-3.44 -11.293,-3.44 -11.293,-2.57 -11.196,-2.472 -11.196,-2.406 -11.124,-2.406 -11.107,-2.423
  pour cut-out: -5.051,-8.156 -5.114,-8.156 -5.174,-8.216 -5.226,-8.164 -5.226,-8.034 -4.633,-7.441 -4.263,-7.441 -4.263,-7.684 -4.263,-7.747
  pour cut-out: 5.362,-13.215 5.404,-13.172 5.404,-13.119 5.596,-13.119 5.643,-13.166 5.643,-14.997 5.841,-15.195 5.841,-16.134 5.841,-15.806 4.857,-15.774 5.284,-15.347 5.284,-15.128
  pour cut-out: 4.854,-11.574 5.287,-12.006 5.287,-12.509 4.041,-12.509 3.761,-11.882
  pour cut-out: -13.122,8.597 -12.035,8.597 -13.454,7.113 -13.454,-4.824 -13.502,-4.824 -13.536,-4.858 -13.694,-4.7 -13.694,7.992
  pour cut-out: -7.127,-3.831 -7.124,-3.828 -7.124,-3.392 -5.612,-3.392 -5.611,-3.393 -5.639,-3.421 -5.639,-3.622 -5.69,-3.622 -5.7,-3.632
  pour cut-out: -9.14,-6.416 -8.47,-6.416 -8.141,-6.086 -8.192,-6.034 -8.192,-5.961 -9.09,-5.961 -9.179,-6.003
  pour cut-out: -9.552,-7.652 -9.398,-7.498 -9.231,-7.498 -9.231,-8.636 -9.395,-8.801 -9.461,-8.735 -9.47,-8.735
  pour cut-out: -5.068,-9.856 -5.068,-10.11 -5.086,-10.128 -4.136,-10.128 -4.136,-9.863 -4.143,-9.856
  pour cut-out: -4.136,-10.333 -4.136,-9.874 -3.838,-9.576 -3.838,-8.811 -3.821,-8.811 -3.793,-8.784 -3.766,-8.811 -3.749,-8.811 -3.749,-9.132 -2.981,-9.899 -2.981,-10.08 -3.111,-10.21 -3.684,-10.21 -3.684,-11.426 -3.572,-11.538 -2.574,-11.538 -2.574,-11.772 -2.623,-11.821 -2.867,-11.821 -2.942,-11.747 -4.994,-11.747 -5.284,-11.456 -4.134,-10.306
  pour cut-out: -1.808,-13.758 -2.225,-13.758 -2.594,-13.388 -2.557,-13.352 -2.557,-13.3 -2.414,-13.3 -2.374,-13.26 -2.318,-13.316 -2.278,-13.316
Bottom Layer (L4):
  pour cut-out: 15.25,17.35 cw(c15.25,15.277) 16.716,16.743 16.743,16.716 cw(c15.277,15.25) 17.35,15.25 cw(c15.25,15.25) 16.735,13.765 cw(c15.25,15.25) 15.25,13.15 cw(c15.25,15.25) 13.765,13.765 cw(c15.203,15.203) 13.169,15.203 13.169,15.312 cw(c15.097,15.312) 13.734,16.674 13.815,16.756 cw(c15.25,15.321)
  pour cut-out: -2.566,-4.491 -2.23,-4.826 -1.194,-4.826 -1.171,-4.849 -1.171,-4.142 -1.602,-4.142 -1.81,-3.934 -2.237,-3.934 -2.556,-4.253
  pour cut-out: -10.292,-7.011 -8.701,-7.011 -8.701,-6.61 -8.662,-6.57 -8.982,-6.251 -10.348,-6.251 -10.537,-6.439 -10.537,-6.653
  pour cut-out: -5.934,9.327 -5.934,7.621 -5.909,7.595 -5.707,7.797 -4.771,7.797 -4.771,8.804
  pour cut-out: 7.664,7.348 7.664,7.428 7.58,7.512 7.142,7.512 6.483,6.853 6.483,6.553 6.55,6.486 6.563,6.5 7.275,6.5 7.275,7.191 7.431,7.348
  pour cut-out: 5.835,-8.975 5.835,-9.839 5.78,-9.894 5.573,-9.687 5.573,-9.459
  pour cut-out: -11.275,4.669 -11.275,2.764 -11.265,2.775 -10.125,2.775 -10.125,3.535 -10.4,3.81
  pour cut-out: -14.251,-1.776 -13.44,-1.776 -13.44,-1.677 -13.604,-1.512 -13.768,-1.512
  pour cut-out: -13.253,-6.752 -12.208,-6.752 -11.571,-6.114 -11.617,-6.068 -11.617,-5.324 -11.703,-5.324 -11.764,-5.263
  pour cut-out: -0.134,-1.173 0.96,-2.267 1.344,-2.267 1.365,-2.288 1.555,-2.097 1.555,3.04 1.122,3.04 1.079,3.083
  pour cut-out: -8.928,-10.888 -8.421,-10.861 -8.415,-8.786 -8.603,-8.737 -8.874,-9.075 -8.874,-9.375
  pour cut-out: 2.136,-12.727 2.136,-12.743 2.996,-12.743 2.996,-12.995 2.118,-12.995 2.118,-12.816
  pour cut-out: 3.049,-15.112 3.04,-15.112 3.04,-15.891 4.242,-15.891 4.242,-16.271 1.533,-16.271 1.533,-15.832
  pour cut-out: -3.003,-4.273 -2.66,-4.196 -2.631,-4.218 -2.605,-6.013 -1.794,-6.013 -1.794,-6.246 -2.559,-6.246
  pour cut-out: -2.667,-1.954 -2.667,-1.939 -1.006,-1.939 -1.006,-0.822 -2.452,-0.822 -2.452,-1.133
  pour cut-out: -8.801,14.71 -8.587,14.71 -8.587,9.912 -8.749,9.912
  pour cut-out: -10.123,17.025 -6.882,17.025 -6.882,14.71 -10.123,14.71
  pour cut-out: -9.773,5.686 -9.773,10.072 -9.712,10.133 -6.784,10.133 -6.784,5.832 -6.929,5.686
  pour cut-out: 6.002,5.378 6.002,4.102 7.773,4.102 8.875,3 10.218,3 10.218,3.295 7.894,5.62 6.403,5.62
  pour cut-out: 15.306,6.107 15.342,6.07 17.392,6.07 17.392,-8.212 17.538,-8.358 15.442,-8.358
  pour cut-out: 3.964,-2.272 3.967,-2.275 3.967,-3.234 3.792,-3.234 3.512,-2.954 3.512,-2.553
  pour cut-out: 5.412,-6.286 5.827,-5.871 5.914,-5.871 5.914,-5.036 6.476,-4.474 6.476,-4.198 4.101,-4.198 4.031,-4.127 4.01,-4.148 4.01,-6.093 5.219,-6.093
  pour cut-out: 5.826,-2.394 5.826,-3.041 5.853,-3.068 6.099,-2.823 7.211,-2.823 7.211,-2.77 7.3,-2.681
  pour cut-out: 1.645,-15.905 1.645,-16.673 1.665,-16.693 1.65,-16.709 -2.927,-16.709 -2.927,-16.013 -2.893,-15.979 -2.845,-15.979
  pour cut-out: -13.35,4.675 -13.35,3.106 -13.63,2.826 -13.719,2.826 -13.719,4.028 -13.869,4.178
  pour cut-out: 2.998,-15.19 2.946,-15.241 2.144,-15.241 2.144,-13.847 1.998,-13.7 1.952,-13.745 1.817,-13.745 1.817,-14.948 1.506,-15.259 1.506,-15.773 2.389,-15.773 3.049,-15.112
  pour cut-out: -10.292,-7.551 -10.239,-7.604 -10.239,-9.594 -10.524,-9.594 -10.854,-9.264 -10.854,-8.948 -10.918,-8.884 -10.88,-8.846 -10.88,-8.796 -10.465,-8.796 -10.31,-8.641
  pour cut-out: -3.653,4.34 -3.635,4.358 -3.635,5.354 -4.519,5.354 -4.619,5.253 -4.619,4.621 -4.185,4.621 -3.632,4.067
  pour cut-out: -2.225,2.858 -2.085,2.718 -2.085,0.306 -1.423,0.306 -0.593,-0.524 -0.006,0.062 -0.006,1.597 0.867,2.471 0.127,3.211 -1.873,3.211 -2.121,2.963
  pour cut-out: 2.861,3.89 2.181,3.211 -4.036,3.211 -4.125,3.3 -4.035,3.389 -4.035,4.204 2.798,4.204
  pour cut-out: -0.244,7.473 -0.244,8.8 -0.224,8.82 -0.195,8.791 2.2,8.791 2.2,7.462
  pour cut-out: 2.2,7 3.251,7 4.09,7.839 4.032,7.898 4.032,10.286 2.2,10.286
  pour cut-out: -4.8,7.768 -4.771,7.797 -4.771,8.818 -4.401,8.818 -4.354,8.771 -4.354,7.173 -4.495,7.173 -4.519,7.149
  pour cut-out: 5.679,3.141 6.15,3.141 6.194,3.184 7.185,2.193 7.185,0.565 6.757,0.137 4.957,0.137 4.158,0.935 2.561,0.935 2.076,0.45 2.076,-2.43 1.948,-2.43 1.919,-2.401 1.943,-2.378 1.943,1.536
  pour cut-out: 8.559,1.705 10.218,1.705 9.496,0.983 9.496,0.011 9.473,0.011 9.425,-0.036 9.252,0.137 7.358,0.137
  pour cut-out: -5.3,-13.433 -5.3,-15.193 -6.525,-13.968 -6.525,-13.317
  pour cut-out: -7.201,-3.124 -7.201,-4.301 -7.214,-4.314 -6.711,-4.818 -6.451,-4.818 -6.418,-4.785 -6.968,-4.235 -6.968,-2.993 -7.03,-2.993 -7.057,-2.966
  pour cut-out: 2.839,2.933 4.979,2.933 5.044,2.999 5.067,2.976 5.067,2.148 1.643,2.148 1.585,2.09 1.537,2.138 1.496,2.138 1.496,2.473 1.782,2.76
  pour cut-out: 6.002,4.102 6.002,5.384 5.476,5.91 5.476,7.239 5.412,7.303 5.363,7.255 4.284,7.255 3.59,6.561 3.59,6.513
  pour cut-out: -5.684,6.218 -5.688,6.213 -6.983,6.213 -6.983,4.281 -6.969,4.267 -5.28,5.955 -4.998,5.955
  pour cut-out: -15.246,4.765 -14.027,4.765 -14.531,4.26 -14.531,3.995 -14.767,3.995 -14.769,3.997
  pour cut-out: -13.759,0.143 -13.784,0.118 -13.784,-0.493 -12.702,-0.493 -12.325,-0.115 -12.408,-0.032 -12.408,0.014
  pour cut-out: -11.1,-2.828 -11.255,-2.673 -11.255,-2.658 -11.413,-2.658 -11.668,-2.913 -11.668,-4.084 -12.35,-4.084 -12.371,-4.105 -12.371,-4.203 -12.347,-4.203 -12.114,-4.437 -11.592,-4.437 -11.516,-4.36 -11.516,-2.868 -11.139,-2.868
  pour cut-out: -4.216,-13.424 -3.536,-13.424 -3.529,-13.431 -3.107,-13.008 -3.107,-12.622 -3.244,-12.485
  pour cut-out: -2.512,-15.259 0.791,-15.259 0.843,-15.207 0.748,-15.111 0.748,-13.312 -1.689,-13.312 -2.546,-14.168 -2.546,-15.341
  pour cut-out: 13.773,-3.952 13.78,-3.945 13.78,-3.673 12.777,-3.673 12.755,-3.695 12.813,-3.753 12.813,-3.87
  pour cut-out: -9.781,-6.304 -10.316,-6.304 -10.143,-6.131 -10.143,-5.081 -10.081,-5.019 -10.011,-5.019 -10.011,-5.039 -9.954,-5.095
  pour cut-out: -5.113,-9.473 -5.154,-9.513 -6.55,-9.513 -6.55,-7.699 -6.525,-7.674 -6.08,-7.674
  pour cut-out: -6.161,-6.994 -6.144,-6.977 -6.144,-6.456 -5.815,-6.456 -4.616,-7.655 -4.97,-8.01 -4.97,-8.605 -5.519,-8.605 -5.562,-8.562 -5.562,-7.801 -5.428,-7.667
  pour cut-out: -4.306,-5.993 -4.784,-5.993 -5.284,-5.493 -5.284,-4.101 -5.057,-3.873 -4.53,-3.873 -3.836,-4.567 -3.836,-5.288
Multi-Layer:
  pour cut-out: -17.554,4.296 -15.605,4.296 -15.605,-10.701 -15.619,-10.715 -17.578,-10.715 -17.578,4.272

## Silkscreen, mask and mechanical layers (free items; w line width, h text height)
Top Overlay:
  drawing of 4 lines, arcs and shapes, not listed
  text "SDA1" at -18.592,11.433 h0.7
  text "SCL2" at 15.842,11.242 h0.7
  text "Andrew Chai F24" at -12.08,10.556 h1.19
  text "Out-" at 12.666,9.142 h1.25 r90
  text "3V3" at 9.064,-5.382 h0.94
  text "5V" at -2.787,-6.832 h0.94
Bottom Overlay:
  drawing of 100 lines, arcs and shapes, not listed
  text "In+" at 9.585,11.572 h1.25 r270
Mechanical 1:
  lines w0.138: -19.25,-17.98 ccw(c-17.98,-17.98) -17.98,-19.25 -17.73,-19.25 17.73,-19.25 17.98,-19.25 ccw(c17.98,-17.98) 19.25,-17.98 19.25,-17.73 19.25,17 19.25,17.98 ccw(c17.98,17.98) 17.98,19.25 17.73,19.25 -17.73,19.25 -17.98,19.25 ccw(c-17.98,17.98) -19.25,17.98 -19.25,17.73 -19.25,-17.73 -19.25,-17.98